# KiCad board EC_Rev2.kicad_pcb (continued)
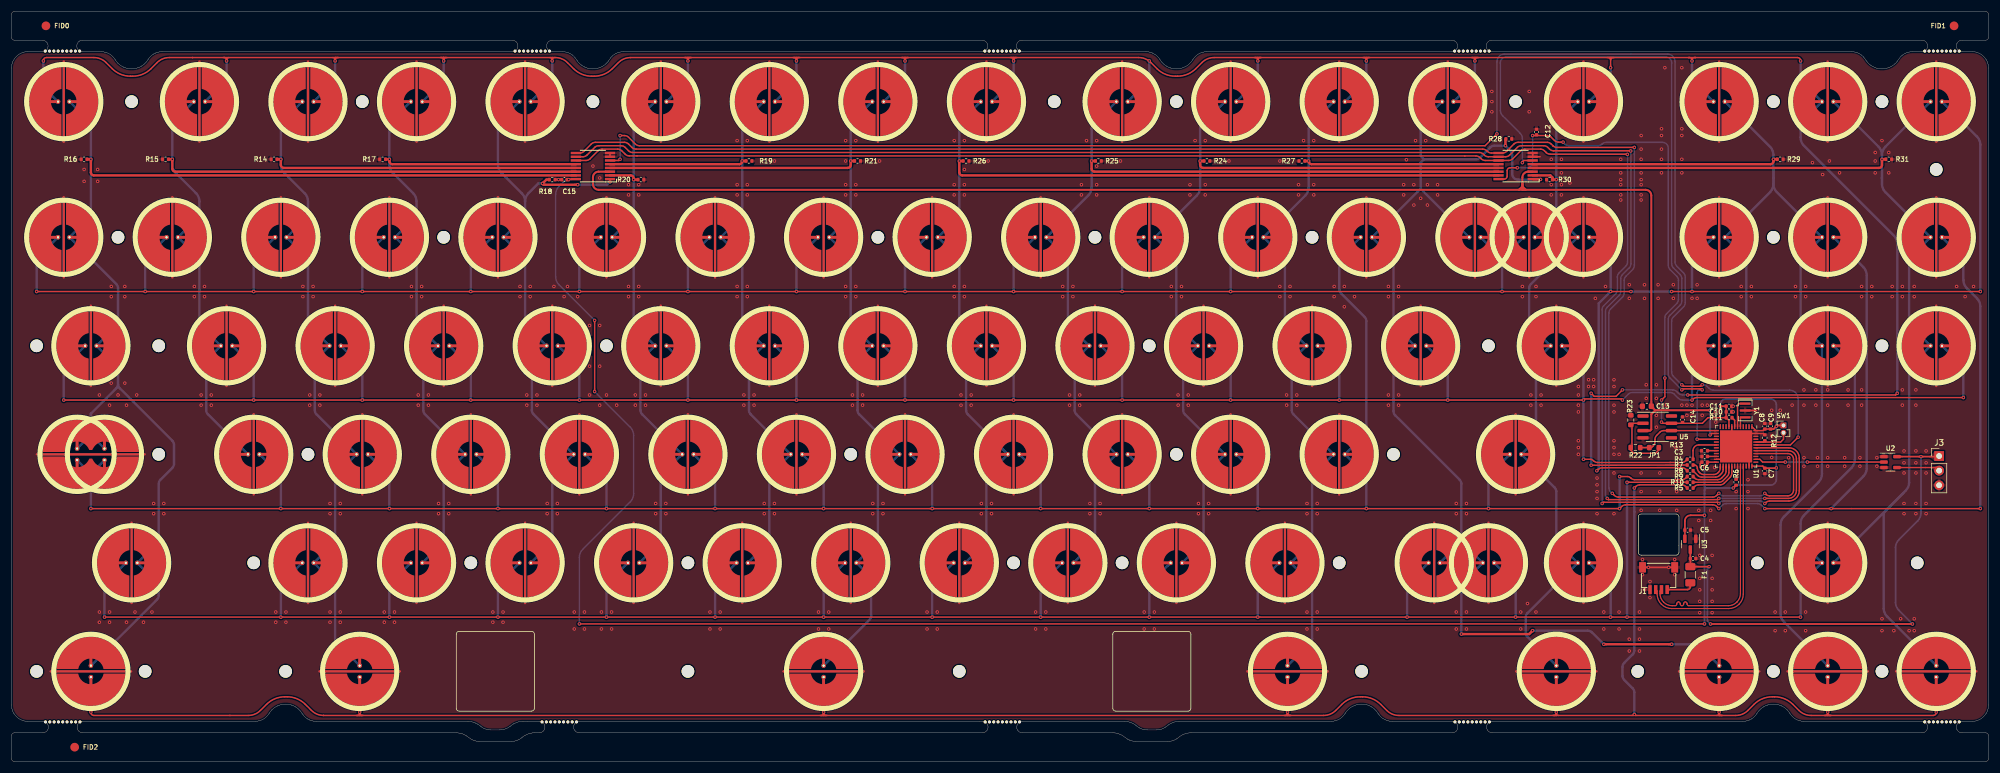
[diagram p0: board, top side]
## Nets (continued)
ROW2: R4.2 SW_EC35.2 SW_EC36.2 SW_EC37.2 SW_EC38.2 SW_EC39.2 SW_EC40.2 SW_EC41.2 SW_EC42.2 SW_EC43.2 SW_EC44.2 SW_EC45.2 SW_EC46.2 SW_EC47.2 SW_EC48.2 SW_EC49.2 SW_EC51.2
ROW3: R9.2 SW_EC30.2 SW_EC33.2 SW_EC34.2 SW_EC52.2 SW_EC53.2 SW_EC54.2 SW_EC55.2 SW_EC56.2 SW_EC57.2 SW_EC58.2 SW_EC59.2 SW_EC60.2 SW_EC61.2 SW_EC62.2 SW_EC63.2 SW_EC64.2
ROW4: R10.1 SW_EC50.2 SW_EC65.2 SW_EC66.2 SW_EC67.2 SW_EC68.2 SW_EC69.2 SW_EC70.2 SW_EC71.2 SW_EC72.2 SW_EC73.2 SW_EC74.2 SW_EC75.2 SW_EC76.2 SW_EC77.2 SW_EC88.2 SW_EC89.2
ROW5: R5.2 SW_EC78.2 SW_EC79.2 SW_EC80.2 SW_EC81.2 SW_EC82.2 SW_EC83.2 SW_EC84.2 SW_EC85.2
XTAL0: U1.5 Y1.3
XTAL1: U1.6 Y1.1
Net-(JP1-B): JP1.2 R22.2 R23.1 U5.2
Net-(U1-PA8): R5.1 U1.29
Net-(U1-PA10): R6.1 U1.31
Net-(U1-PB0): R4.1 U1.18
Net-(U1-PB12): R7.2 U1.25
Net-(U1-PB13): R8.2 U1.26
Net-(U1-PB14): R9.1 U1.27
Net-(U1-PB15): R10.2 U1.28
Net-(U1-VCAP1): C3.1 U1.22

Pads without a net: U1 2 3 4 10 11 12 15 17 19 21 30 34 37 39 45 46; U5 1 5 8

## Via types
v1: diameter 0.6, hole 0.3, Top to Bottom, 724 vias

## Routing (per net, layer and track width the routed paths; a pad name or vN(x,y) marks a point on that pad's centre or on a via; arc(x,y) is an arc through that point)
+5V: length 91.3
  Top w0.3: 335.62,53.1 v1(332.47,53.1) U2.5 ; 292.31,37.21 F1.1 v1(295.58,33.93) ; v1(330.99,23.95) v1(295.83,23.95)
  Bottom w0.3: v1(330.99,23.95) 328.62,26.32 arc(328.19,26.97) 328.04,27.73 328.04,37.23 arc(328.19,37.99) 328.62,38.64 331.88,41.9 arc(332.32,42.55) 332.47,43.31 v1(332.47,53.1) ; v1(295.58,33.93) 295.28,33.64 295.28,24.5 v1(295.83,23.95)
GND: length 20.2
  Top w0.25: U6.8 U6.7 266.17,105.33 ; C15.1 v1(95.25,101.34) R18.2 ; U1.8 299.53,55.63 ; C6.2 294.03,51.84 294.03,51.21 ; 302.53,57.13 U1.47 305.04,57.13 R12.2 ; 302.53,52.63 U1.35 ; U4.8 U4.7 ; U1.23 298.03,52.63
  Top w0.3: Y1.2 303.78,61.13 ; J1.4 v1(288.56,33.82) v1(285.01,33.82) J1.4
  vias: v1(12.64,103.11) v1(12.64,101.05) v1(15.01,103.11) v1(15.01,101.05) v1(15.3,63.84) v1(15.3,26.04) v1(15.3,24.26) v1(17.07,62.06) v1(17.07,26.04) v1(17.07,24.26) v1(17.37,82.74) v1(17.37,80.96) v1(17.37,65.9) v1(18.55,63.84) v1(19.73,82.74) v1(19.73,80.96) v1(19.73,65.9) v1(20.03,62.06) v1(20.03,24.26) v1(21.5,26.04) v1(21.8,63.84) v1(22.98,24.26) v1(24.46,26.04) v1(24.75,44.94) v1(24.75,43.16) v1(26.52,44.94) v1(26.52,43.16) v1(31.84,82.74) v1(31.84,80.96) v1(33.02,63.84) v1(33.02,62.06) v1(33.61,82.74) v1(33.61,80.96) v1(34.79,63.84) v1(34.79,62.06) v1(46.01,26.04) v1(46.01,24.26) v1(47.79,26.04) v1(47.79,24.26) v1(50.74,82.74) v1(50.74,80.96) v1(51.92,63.84) v1(51.92,62.06) v1(52.51,82.74) v1(52.51,80.96) v1(53.69,63.84) v1(53.69,62.06) v1(55.46,44.94) v1(55.46,43.16) v1(55.46,26.04) v1(55.46,24.26) v1(57.24,44.94) v1(57.24,43.16) v1(57.24,26.04) v1(57.24,24.26) v1(64.91,26.04) v1(64.91,24.26) v1(66.69,26.04) v1(66.69,24.26) v1(69.64,82.74) v1(69.64,80.96) v1(70.82,63.84) v1(70.82,62.06) v1(71.41,82.74) v1(71.41,80.96) v1(72.59,63.84) v1(72.59,62.06) v1(74.36,44.94) v1(74.36,43.16) v1(76.14,44.94) v1(76.14,43.16) v1(83.81,26.04) v1(83.81,24.26) v1(85.59,26.04) v1(85.59,24.26) v1(88.54,82.74) v1(88.54,80.96) v1(89.72,63.84) v1(89.72,62.06) v1(90.31,82.74) v1(90.31,80.96) v1(91.49,63.84) v1(91.49,62.06) v1(93.26,44.94) v1(93.26,43.16) v1(94.45,82.74) v1(95.04,44.94) v1(95.04,43.16) v1(96.22,80.96) v1(96.81,82.74) v1(97.99,26.04) v1(97.99,23.08) v1(98.58,80.96) v1(99.76,26.04) v1(99.76,23.08) v1(100.65,75.94) v1(100.65,68.86) v1(100.65,63.84) v1(101.24,103.7) v1(102.42,101.64) v1(102.42,75.94) v1(102.42,68.86) v1(102.42,62.06) v1(102.71,26.04) v1(102.71,23.08) v1(103.6,63.84) v1(104.49,26.04) v1(104.49,23.08) v1(105.37,62.06) v1(107.44,100.45) v1(107.44,98.68) v1(107.44,82.74) v1(107.44,80.96) v1(108.62,63.84) v1(108.62,62.06) v1(109.21,100.45) v1(109.21,98.68) v1(109.21,82.74) v1(109.21,80.96) v1(110.39,63.84) v1(110.39,62.06) v1(112.16,44.94) v1(112.16,43.16) v1(113.94,44.94) v1(113.94,43.16) v1(121.61,26.04) v1(121.61,23.08) v1(123.39,26.04) v1(123.39,23.08) v1(126.34,108.13) v1(126.34,100.45) v1(126.34,98.68) v1(126.34,82.74) v1(126.34,80.96) v1(127.52,63.84) v1(127.52,62.06) v1(128.11,108.13) v1(128.11,100.45) v1(128.11,98.68) v1(128.11,82.74) v1(128.11,80.96) v1(129.29,63.84) v1(129.29,62.06) v1(131.06,44.94) v1(131.06,43.16) v1(132.84,104.59) v1(132.84,44.94) v1(132.84,43.16) v1(140.51,26.04) v1(140.51,23.08) v1(142.29,26.04) v1(142.29,23.08) v1(145.24,108.13) v1(145.24,104.59) v1(145.24,100.45) v1(145.24,98.68) v1(145.24,82.74) v1(145.24,80.96) v1(146.42,63.84) v1(146.42,62.06) v1(147.01,108.13) v1(147.01,100.45) v1(147.01,98.68) v1(147.01,82.74) v1(147.01,80.96) v1(148.19,63.84) v1(148.19,62.06) v1(149.96,44.94) v1(149.96,43.16) v1(151.15,104.59) v1(151.74,44.94) v1(151.74,43.16) v1(159.41,26.04) v1(159.41,23.08) v1(161.19,26.04) v1(161.19,23.08) v1(164.14,108.13) v1(164.14,100.45) v1(164.14,98.68) v1(164.14,82.74) v1(164.14,80.96) v1(165.32,63.84) v1(165.32,62.06) v1(165.91,108.13) v1(165.91,103.11) v1(165.91,100.45) v1(165.91,98.68) v1(165.91,82.74) v1(165.91,80.96) v1(167.09,63.84) v1(167.09,62.06) v1(168.86,44.94) v1(168.86,43.16) v1(170.05,104.59) v1(170.64,44.94) v1(170.64,43.16) v1(178.31,26.04) v1(178.31,23.08) v1(180.09,26.04) v1(180.09,23.08) v1(183.04,82.74) v1(183.04,80.96) v1(184.22,63.84) v1(184.22,62.06) v1(184.81,82.74) v1(184.81,80.96) v1(185.99,63.84) v1(185.99,62.06) v1(186.29,100.45) v1(186.29,98.68) v1(187.17,108.13) v1(187.76,44.94) v1(187.76,43.16) v1(188.95,108.13) v1(188.95,103.7) v1(188.95,100.45) v1(188.95,98.68) v1(189.54,44.94) v1(189.54,43.16) v1(193.08,104.59) v1(197.21,26.04) v1(197.21,23.08) v1(198.99,26.04) v1(198.99,23.08) v1(201.94,82.74) v1(201.94,80.96) v1(203.12,63.84) v1(203.12,62.06) v1(203.71,82.74) v1(203.71,80.96) v1(204.89,63.84) v1(204.89,62.06) v1(205.19,100.45) v1(205.19,98.68) v1(206.07,108.13) v1(206.66,44.94) v1(206.66,43.16) v1(207.85,108.13) v1(207.85,100.45) v1(207.85,98.68) v1(208.44,44.94) v1(208.44,43.16) v1(211.98,104.59) v1(220.84,104.59) v1(220.84,82.74) v1(220.84,80.96) v1(222.02,63.84) v1(222.02,62.06) v1(222.61,82.74) v1(222.61,80.96) v1(223.79,63.84) v1(223.79,62.06) v1(224.09,100.45) v1(224.09,98.68) v1(224.97,108.13) v1(225.56,44.94) v1(225.56,43.16) v1(225.56,26.04) v1(225.56,23.08) v1(226.75,108.13) v1(226.75,100.45) v1(226.75,98.68) v1(227.34,44.94) v1(227.34,43.16) v1(227.34,26.04) v1(227.34,23.08) v1(230.29,82.74) v1(230.29,80.96) v1(232.06,82.74) v1(232.06,79.19) v1(233.83,80.96) v1(239.74,82.74) v1(239.74,80.96) v1(239.74,63.84) v1(239.74,62.06) v1(241.51,82.74) v1(241.51,80.96) v1(241.51,63.84) v1(241.51,62.06) v1(242.4,100.45) v1(242.4,98.68) v1(242.87,104.81) v1(244.17,100.45) v1(244.17,96.91) v1(244.46,108.13) v1(245.35,98.09) v1(246.24,108.13) v1(246.53,100.45) v1(246.53,96.91) v1(248.3,100.45) v1(248.3,98.68) v1(251.55,44.94) v1(251.55,43.16) v1(251.55,26.04) v1(251.55,23.08) v1(253.32,44.94) v1(253.32,43.16) v1(253.32,26.04) v1(253.32,23.08) v1(257.75,116.7) v1(257.75,114.92) v1(257.75,113.15) v1(262.77,26.04) v1(262.77,23.08) v1(263.07,82.74) v1(263.07,80.96) v1(263.95,27.51) v1(264.25,116.7) v1(264.25,113.15) v1(264.55,63.84) v1(264.55,62.06) v1(265.43,82.74) v1(265.43,80.96) v1(265.43,26.04) v1(266.32,63.84) v1(266.32,62.06) v1(267.79,110.5) v1(268.09,104.88) v1(268.09,100.45) v1(268.09,98.68) v1(269.86,104.88) v1(269.86,102.52) v1(269.86,100.45) v1(269.86,98.68) v1(271.34,100.75) v1(272.81,65.31) v1(272.81,63.84) v1(272.81,62.06) v1(272.81,60.88) v1(272.81,55.86) v1(272.81,54.68) v1(272.81,53.5) v1(274.59,66.49) v1(274.59,65.31) v1(275.47,66.49) v1(275.47,65.31) v1(275.77,80.67) v1(276.06,49.37) v1(276.06,48.18) v1(276.06,47) v1(276.06,45.82) v1(276.06,43.16) v1(277.24,26.04) v1(277.24,23.08) v1(277.54,82.74) v1(279.02,66.49) v1(279.02,65.31) v1(279.02,62.06) v1(279.02,60.88) v1(279.02,55.86) v1(279.02,54.68) v1(279.02,53.5) v1(279.02,50.25) v1(279.02,43.16) v1(279.9,53.5) v1(279.9,26.04) v1(279.9,23.08) v1(280.2,104.88) v1(280.2,102.52) v1(280.2,101.34) v1(280.2,100.45) v1(280.2,98.68) v1(280.2,97.8) v1(281.67,83.03) v1(281.67,80.67) v1(281.67,21.31) v1(281.67,19.24) v1(283.45,26.04) v1(283.45,23.08) v1(283.45,21.31) v1(283.45,19.24) v1(283.74,109.02) v1(283.74,106.66) v1(283.74,104.88) v1(283.74,102.52) v1(283.74,101.34) v1(283.74,100.45) v1(283.74,98.68) v1(283.74,97.8) v1(283.74,50.25) v1(283.74,47) v1(283.74,43.75) v1(283.98,35.19) v1(283.98,32.53) v1(284.33,83.03) v1(284.33,80.67) v1(284.33,29.95) v1(284.63,65.61) v1(284.63,63.25) v1(285.28,31.35) v1(285.28,28.55) v1(286.4,65.61) v1(286.4,63.25) v1(286.4,60.29) v1(286.4,58.22) v1(286.69,83.03) v1(286.69,80.67) v1(286.99,50.25) v1(286.99,47) v1(286.99,43.75) v1(287.28,110.2) v1(287.28,109.02) v1(287.28,106.66) v1(287.28,104.88) v1(287.28,102.52) v1(287.88,120.83) v1(288.17,62.06) v1(289.35,83.03) v1(289.35,80.67) v1(289.58,35.19) v1(289.58,32.53) v1(289.78,54.68) v1(289.94,50.25) v1(289.94,47) v1(289.94,43.75) v1(290.83,120.83) v1(290.83,110.2) v1(290.83,109.02) v1(290.83,104.88) v1(290.83,102.52) v1(290.83,62.06) v1(291.71,62.06) v1(291.71,60.29) v1(292.6,80.67) v1(292.6,62.06) v1(292.6,60.29) v1(293.49,83.03) v1(293.49,80.67) v1(293.78,43.75) v1(293.78,41.98) v1(293.95,35.9) v1(293.95,31.9) v1(293.95,29.9) v1(293.95,27.9) v1(293.95,25.92) v1(294.37,62.06) v1(294.37,60.29) v1(295.26,62.06) v1(295.85,43.75) v1(295.85,41.98) v1(296.1,35.9) v1(296.1,31.9) v1(296.1,29.9) v1(296.1,27.9) v1(296.1,25.92) v1(296.53,51.21) v1(296.73,60.88) v1(296.73,59.11) v1(299.78,61.88) v1(299.78,60.88) v1(300.28,47) v1(300.28,44.05) v1(301.16,82.74) v1(301.16,80.96) v1(302.35,49.07) v1(302.35,47) v1(302.35,44.05) v1(302.94,82.74) v1(302.94,80.96) v1(306.48,61.18) v1(306.48,56.75) v1(306.48,52.96) v1(307.07,26.04) v1(307.07,22.79) v1(307.96,61.18) v1(308.84,26.04) v1(308.84,22.79) v1(309.43,52.91) v1(309.43,51.43) v1(310.02,62.06) v1(310.61,82.74) v1(310.61,80.96) v1(312.09,64.72) v1(312.09,62.06) v1(312.09,52.91) v1(312.09,51.43) v1(312.39,82.74) v1(312.39,80.96) v1(312.39,26.04) v1(312.39,22.79) v1(313.57,104.29) v1(314.16,64.72) v1(314.16,62.06) v1(314.45,52.91) v1(314.45,51.43) v1(315.34,102.23) v1(316.23,64.72) v1(316.23,62.06) v1(316.23,52.91) v1(316.23,51.43) v1(316.52,104.59) v1(318.29,102.52) v1(319.18,52.91) v1(319.18,51.43) v1(319.77,64.72) v1(319.77,62.06) v1(321.84,52.91) v1(321.84,51.43) v1(322.13,82.74) v1(322.13,80.96) v1(322.13,64.72) v1(322.13,62.06) v1(323.9,82.74) v1(323.9,80.96) v1(324.49,106.07) v1(324.49,104.59) v1(324.49,102.52) v1(324.79,52.91) v1(324.79,51.43) v1(325.68,108.13) v1(325.68,24.85) v1(325.68,22.79) v1(326.86,106.07) v1(326.86,102.52) v1(327.45,82.74) v1(327.45,80.96) v1(327.74,22.79) v1(328.92,24.85) v1(329.22,82.74) v1(329.22,80.96) v1(329.22,64.72) v1(329.22,62.06) v1(329.51,54.09) v1(329.51,52.02) v1(329.51,50.25) v1(329.51,44.94) v1(329.51,43.16) v1(330.4,22.79) v1(331.29,82.74) v1(331.29,80.96) v1(331.29,24.85) v1(331.29,22.79) v1(331.58,64.72) v1(331.58,62.06) v1(331.58,54.09) v1(331.58,52.02) v1(331.58,50.25) v1(331.58,44.94) v1(331.58,43.16) v1(333.35,54.09) v1(333.35,52.02) v1(333.35,50.25) v1(333.35,44.94) v1(333.35,43.16) v1(338.67,82.74) v1(340.15,80.96) v1(341.62,82.74)
VBAT: length 477.3
  Top w0.25: v1(270.16,107.87) 269.36,107.87 arc(268.97,107.95) 268.65,108.16 268.09,108.73 arc(267.76,108.94) 267.38,109.02 v1(264.84,109.02) ; v1(287.28,59.11) 287.49,58.9 U5.7 294.41,58.9 295.39,59.88 R11.1 ; C9.1 C8.1 305.01,57.63 U1.48 U1.1 ; C5.1 U3.2 ; C11.1 C10.1 R11.1 ; R11.1 299.03,59.4 U1.9 ; U1.36 304.92,51.45 C7.1 ; U1.24 C6.1 ; U4.16 96.6,101.43 ; v1(101.53,64.43) v1(101.53,76.83) ; v1(287.28,62.95) 287.88,63.54 v1(287.88,66.79) ; U6.16 259.91,101.43 arc(260.26,101.58) 260.41,101.93 260.41,102.91 arc(260.56,103.26) 260.91,103.41 v1(262.18,103.41) ; v1(98.88,23.97) v1(294.78,23.97)
  Top w0.3: v1(297.53,61.88) C11.1 ; v1(299.78,47.63) 299.79,47.63 R6.2 ; C9.1 306.8,57.9 v1(307.28,58.38) 307.43,58.53 SW1.1 ; C6.1 295.28,51.71 v1(294.78,51.31) ; C5.1 291.36,41.88 arc(291.65,42.59) 292.36,42.88 v1(294.78,42.88) ; C7.1 307.23,51.09 v1(307.28,51.13)
  Bottom w0.25: v1(262.18,103.41) 263.84,103.41 arc(264.55,103.7) 264.84,104.41 v1(264.84,109.02) ; v1(101.53,64.43) 107.74,58.22 arc(108.17,57.57) 108.32,56.81 108.32,46.65 arc(108.17,45.88) 107.74,45.24 99.46,36.96 arc(99.03,36.31) 98.87,35.54 v1(98.87,23.97) ; v1(270.16,107.87) 270.16,107.84 270.45,107.54 arc(270.78,107.32) 271.16,107.25 276.24,107.25 arc(276.62,107.32) 276.95,107.54 276.95,107.54 arc(277.28,107.76) 277.66,107.84 287.47,107.84 arc(288.17,107.54) 288.47,106.84 288.47,86.4 arc(288.54,86.02) 288.76,85.69 289.94,84.51 arc(290.16,84.18) 290.24,83.8 290.24,80.49 arc(290.16,80.11) 289.94,79.78 288.17,78.01 arc(287.95,77.68) 287.88,77.3 v1(287.88,66.79) ; v1(101.53,76.83) 95.33,83.04 arc(94.89,83.69) 94.74,84.45 94.74,98.74 arc(94.89,99.51) 95.33,100.15 96.51,101.34 v1(97.03,101.34) ; v1(287.28,59.11) v1(287.28,62.95)
  Bottom w0.3: 294.78,46.63 294.78,47.18 arc(294.91,47.5) 295.23,47.63 ; 294.78,46.63 v1(294.78,42.88) v1(294.78,23.97) ; 294.78,46.63 294.78,49.13 ; v1(297.53,61.88) 297.53,62.13 arc(297.82,62.84) 298.53,63.13 306.28,63.13 arc(306.99,62.84) 307.28,62.13 v1(307.28,58.38) v1(307.28,51.13) 307.28,49.13 arc(306.99,48.43) 306.28,48.13 300.28,48.13 v1(299.78,47.63) 295.23,47.63 ; 294.78,49.13 v1(294.78,51.31) ; 294.78,49.13 294.78,48.08 arc(294.91,47.77) 295.23,47.63
VBUS: length 5
  Top w0.3: F1.2 292.31,30.45 arc(292.16,30.09) 291.81,29.95 J1.1
ADC: length 15.1
  Top w0.25: R22.1 285.55,54.67 285.85,54.98 arc(286.07,55.3) 286.15,55.68 286.15,56.08 arc(286.22,56.47) 286.44,56.79 286.99,57.34 arc(287.32,57.56) 287.7,57.63 U1.13
AMUX_SEL_0: length 298.2
  Top w0.25: v1(281.34,105.74) 281.31,105.77 267.91,105.77 arc(267.53,105.85) 267.21,106.06 266.91,106.36 arc(266.58,106.58) 266.2,106.66 263.48,106.66 arc(263.1,106.58) 262.78,106.36 261.38,104.97 arc(261.06,104.75) 260.67,104.68 U6.11 256.6,104.68 arc(256.22,104.75) 255.9,104.97 255.68,105.18 arc(255.36,105.4) 254.98,105.47 253.03,105.47 107.56,105.47 arc(107.18,105.55) 106.85,105.77 106.26,106.36 arc(105.93,106.58) 105.55,106.66 102.83,106.66 arc(102.45,106.58) 102.13,106.36 100.73,104.97 arc(100.41,104.75) 100.02,104.68 U4.11 ; v1(276.95,44.94) 277.17,45.16 297.06,45.16 v1(297.28,44.94) ; U1.42 309.48,54.63 arc(310.75,54.11) 311.28,52.83 311.28,47.17 arc(310.75,45.9) 309.48,45.37 306.13,45.37 arc(305.75,45.3) 305.42,45.08 v1(305.28,44.94)
  Bottom w0.25: v1(276.95,44.94) 276.95,78.69 arc(277.02,79.07) 277.24,79.39 279.31,81.47 arc(279.53,81.79) 279.61,82.17 279.61,84.39 arc(279.68,84.77) 279.9,85.1 281.09,86.28 arc(281.3,86.61) 281.38,86.99 281.38,105.7 v1(281.34,105.74) ; v1(305.28,44.94) 305.14,45.08 arc(304.81,45.3) 304.43,45.37 298.13,45.37 arc(297.75,45.3) 297.42,45.08 v1(297.28,44.94)
AMUX_SEL_1: length 295.6
  Top w0.25: U4.10 99.49,105.33 arc(99.88,105.4) 100.2,105.62 101.54,106.95 arc(101.86,107.17) 102.24,107.25 106.14,107.25 arc(106.52,107.17) 106.85,106.95 107.44,106.36 arc(107.77,106.14) 108.15,106.07 255.57,106.07 arc(255.95,105.99) 256.27,105.77 256.43,105.62 arc(256.75,105.4) 257.13,105.33 U6.10 260.14,105.33 arc(260.53,105.4) 260.85,105.62 262.19,106.95 arc(262.51,107.17) 262.89,107.25 266.79,107.25 arc(267.17,107.17) 267.5,106.95 267.8,106.65 arc(268.12,106.44) 268.5,106.36 281.9,106.36 v1(281.93,106.33) ; v1(297.28,45.82) 297.06,45.61 278.05,45.61 v1(277.83,45.82) ; v1(305.28,45.82) 309.38,45.82 arc(310.37,46.23) 310.78,47.22 310.78,52.73 arc(310.37,53.72) 309.38,54.13 U1.41
  Bottom w0.25: v1(297.28,45.82) v1(305.28,45.82) ; v1(281.93,106.33) 281.97,106.29 281.97,86.69 arc(281.89,86.31) 281.68,85.99 280.49,84.8 arc(280.27,84.48) 280.2,84.09 280.2,81.88 arc(280.12,81.49) 279.9,81.17 277.83,79.1 arc(277.62,78.77) 277.54,78.39 277.54,46.53 arc(277.62,46.15) 277.83,45.82 v1(277.83,45.82)
AMUX_SEL_2: length 292.8
  Top w0.25: v1(282.56,106.95) 269.09,106.95 arc(268.71,107.03) 268.39,107.24 268.09,107.54 arc(267.76,107.76) 267.38,107.84 262.3,107.84 arc(261.92,107.76) 261.59,107.54 260.32,106.27 arc(259.99,106.05) 259.61,105.98 ; U6.9 257.67,105.98 arc(257.28,106.05) 256.96,106.27 256.86,106.36 arc(256.54,106.58) 256.16,106.66 108.74,106.66 arc(108.36,106.73) 108.03,106.95 107.44,107.54 arc(107.11,107.76) 106.73,107.84 101.65,107.84 arc(101.27,107.76) 100.94,107.54 99.67,106.27 arc(99.34,106.05) 98.96,105.98 ; U1.40 309.28,53.63 arc(309.99,53.34) 310.28,52.63 310.28,47.27 arc(309.99,46.56) 309.28,46.27 306.13,46.27 arc(305.75,46.35) 305.42,46.56 v1(305.28,46.71) ; v1(278.72,46.71) 279.08,46.35 arc(279.4,46.13) 279.78,46.06 296.21,46.06 arc(296.6,46.13) 296.92,46.35 v1(297.28,46.71)
  Bottom w0.25: v1(297.28,46.71) 297.42,46.56 arc(297.75,46.35) 298.13,46.27 304.43,46.27 arc(304.81,46.35) 305.14,46.56 v1(305.28,46.71) ; v1(282.56,106.95) 282.56,105.77 282.56,86.4 arc(282.48,86.02) 282.27,85.69 281.08,84.51 arc(280.86,84.18) 280.79,83.8 280.79,81.58 arc(280.71,81.2) 280.5,80.87 278.42,78.8 arc(278.21,78.48) 278.13,78.1 278.13,47.62 arc(278.21,47.24) 278.42,46.91 278.63,46.71 v1(278.72,46.71)
APLEX_EN_PIN_0: length 300
  Top w0.25: v1(105.96,109.02) 106.73,109.02 arc(107.11,108.94) 107.44,108.73 108.62,107.54 arc(108.95,107.32) 109.33,107.25 256.57,107.25 v1(258.64,109.31) ; v1(290.83,65.61) 290.83,65.61 291.08,65.35 294.11,65.35 v1(294.37,65.61) ; U4.6 105.75,104.68 v1(105.96,104.88) ; U1.43 309.73,55.13 v1(311.08,56.48)
  Bottom w0.25: v1(258.64,109.31) 258.64,121.89 arc(259.02,122.81) 259.94,123.19 281.97,123.19 288.35,123.19 arc(289.27,122.81) 289.65,121.89 289.65,86.99 arc(289.72,86.61) 289.94,86.28 291.13,85.1 arc(291.34,84.77) 291.42,84.39 291.42,79.9 arc(291.34,79.52) 291.13,79.19 289.35,77.42 arc(289.13,77.09) 289.06,76.71 289.06,67.79 arc(289.13,67.41) 289.35,67.09 v1(290.83,65.61) ; v1(311.08,56.48) 311.08,63.18 arc(310.64,64.25) 309.58,64.68 296.3,64.68 arc(295.92,64.76) 295.59,64.98 295.26,65.31 arc(294.93,65.53) 294.55,65.61 v1(294.37,65.61) ; v1(105.96,104.88) v1(105.96,109.02)
APLEX_EN_PIN_1: length 127.6
  Top w0.25: U1.16 v1(293.49,56.13) ; v1(294.37,64.72) 294.19,64.9 291.01,64.9 v1(290.83,64.72) ; v1(263.07,104.29) 263.28,104.68 U6.6
  Bottom w0.25: v1(290.83,64.72) 290.83,64.72 288.76,66.79 arc(288.54,67.12) 288.47,67.5 288.47,77.01 arc(288.54,77.39) 288.76,77.71 290.54,79.49 arc(290.75,79.81) 290.83,80.2 290.83,84.09 arc(290.75,84.48) 290.54,84.8 289.35,85.99 arc(289.13,86.31) 289.06,86.69 289.06,121.7 arc(288.76,122.41) 288.06,122.7 260.23,122.7 arc(259.52,122.41) 259.23,121.7 259.23,113.4 arc(259.33,112.9) 259.61,112.48 262.69,109.4 arc(262.97,108.98) 263.07,108.48 v1(263.07,104.29) ; v1(294.37,64.72) 293.99,64.72 arc(293.63,64.58) 293.49,64.22 v1(293.49,56.13)
APLEX_OUT_PIN_0: length 256.1
  Top w0.25: U1.14 296.01,57.13 v1(295.75,56.87)
  Top w0.35: 286.2,61.18 C13.1 285.51,98.57 arc(285.22,99.28) 284.51,99.57 263.66,99.57 ; 286.2,61.18 285.51,60.49 285.51,57.83 285.31,57.63 U5.3 ; 286.2,61.18 v1(295.75,61.18) ; 263.66,99.57 263.07,100.16 ; 263.66,99.57 263.36,99.57 ; 263.07,99.57 262.48,99.57 ; 263.07,99.57 263.07,100.45 ; 263.07,99.57 263.36,99.57 ; 262.48,99.57 102.24,99.57 arc(101.53,99.86) 101.24,100.57 101.24,101.73 arc(101.53,102.44) 102.24,102.73 U4.3 ; 262.48,99.57 263.07,100.16 ; 263.07,100.75 263.07,101.73 arc(263.36,102.44) 264.07,102.73 U6.3 ; 263.07,100.75 263.07,100.45 ; 263.07,100.75 263.07,100.16 ; 263.07,100.45 263.07,99.86 263.36,99.57 ; 263.07,100.45 263.07,100.16
  Bottom w0.35: v1(295.75,56.87) v1(295.75,61.18)
BOOT0: length 7.2
  Top w0.25: 304.28,55.63 308.03,55.63 308.53,56.13 SW1.2 ; 304.28,55.63 U1.44 ; 304.28,55.63 305.04,55.63 R12.1
BOOT1: length 1.6
  Top w0.25: U1.20 R13.2
COL0: length 229.3
  Top w0.419: R16.1 v1(13.82,104.88) 13.82,102.58 arc(13.97,102.23) 14.32,102.08 U4.15
  Bottom w0.419: SW_EC52.1 13.53,56.61 arc(13.75,56.93) 13.83,57.32 13.83,60.59 ; SW_EC52.1 14.12,56.57 arc(13.9,56.9) 13.83,57.28 13.83,60.59 ; SW_EC78.1 25.34,28.22 arc(25.56,28.54) 25.64,28.93 25.64,30.46 arc(25.56,30.84) 25.34,31.17 SW_EC65.1 25.34,38.03 arc(25.56,38.36) 25.64,38.74 25.64,48.36 arc(25.71,48.74) 25.93,49.07 28,51.14 arc(28.22,51.46) 28.3,51.85 28.3,55.15 arc(28.22,55.54) 28,55.86 18.84,65.02 arc(18.63,65.34) 18.55,65.73 ; SW_EC1.1 13.53,111.49 arc(13.75,111.17) 13.83,110.79 v1(13.83,104.88) 13.83,95.85 arc(13.67,95.09) 13.24,94.44 SW_EC18.1 18.26,83.14 arc(18.47,82.82) 18.55,82.44 18.55,76.54 arc(18.47,76.16) 18.26,75.83 SW_EC35.1 18.26,68.97 arc(18.47,68.64) 18.55,68.26 18.55,65.73 ; 13.83,60.59 18.26,65.02 arc(18.47,65.34) 18.55,65.73
COL1: length 146
  Top w0.419: U4.14 28.5,102.73 arc(28.15,102.88) 28,103.23 v1(28,104.88) R15.1
  Bottom w0.419: SW_EC53.1 34.2,60.48 arc(33.98,60.8) 33.91,61.18 33.91,69.44 arc(33.98,69.82) 34.2,70.15 SW_EC36.1 33.02,75.83 arc(32.8,76.16) 32.73,76.54 32.73,87.16 arc(32.65,87.54) 32.43,87.87 SW_EC19.1 32.14,94.44 arc(32.57,95.09) 32.73,95.85 32.73,97.56 arc(32.57,98.32) 32.14,98.97 28.59,102.53 arc(28.15,103.18) 28,103.94 v1(28,104.88) 28,110.79 arc(28.08,111.17) 28.29,111.49 SW_EC2.1
COL2: length 169.5
  Top w0.419: U4.13 47.4,103.38 arc(47.05,103.53) 46.9,103.88 46.9,104.88 v1(46.9,104.88) R14.1
  Bottom w0.419: SW_EC3.1 47.19,111.49 arc(46.98,111.17) 46.9,110.79 v1(46.9,104.88) 46.9,103.94 arc(47.05,103.18) 47.49,102.53 51.04,98.97 arc(51.47,98.32) 51.62,97.56 51.62,95.85 arc(51.47,95.09) 51.04,94.44 SW_EC20.1 51.33,87.87 arc(51.55,87.54) 51.62,87.16 51.62,76.54 arc(51.7,76.16) 51.92,75.83 SW_EC37.1 53.1,70.15 arc(52.88,69.82) 52.81,69.44 52.81,61.18 arc(52.88,60.8) 53.1,60.48 SW_EC54.1 56.64,50.07 arc(56.43,49.74) 56.35,49.36 56.35,38.74 arc(56.27,38.36) 56.06,38.03 SW_EC66.1 56.06,31.17 arc(56.27,30.84) 56.35,30.46 56.35,21.39 arc(56.43,21.01) 56.64,20.68 SW_EC79.1
COL3: length 128.8
  Top w0.419: U4.12 66.3,104.03 arc(65.95,104.17) 65.8,104.53 65.8,104.88 v1(65.8,104.88) R17.1
  Bottom w0.419: SW_EC67.1 74.96,38.03 arc(75.17,38.36) 75.25,38.74 75.25,49.36 arc(75.33,49.74) 75.54,50.07 SW_EC55.1 72,60.48 arc(71.78,60.8) 71.71,61.18 71.71,69.44 arc(71.78,69.82) 72,70.15 SW_EC38.1 70.82,75.83 arc(70.6,76.16) 70.53,76.54 70.53,87.16 arc(70.45,87.54) 70.23,87.87 SW_EC21.1 69.94,94.44 arc(70.37,95.09) 70.53,95.85 70.53,97.56 arc(70.37,98.32) 69.94,98.97 66.39,102.53 arc(65.95,103.18) 65.8,103.94 v1(65.8,104.88) 65.8,110.79 arc(65.88,111.17) 66.09,111.49 SW_EC4.1
COL4: length 113.3
  Top w0.419: v1(98.58,100.45) 92.67,100.45 v1(92.46,100.67) 93.13,101.34 R18.1
  Bottom w0.419: v1(92.46,100.67) 91.71,100.67 90.01,98.97 arc(89.58,98.32) 89.42,97.56 ; v1(98.58,100.45) 103.69,100.45 v1(104.19,100.95) ; 89.42,97.56 89.42,95.85 arc(89.27,95.09) 88.84,94.44 SW_EC22.1 89.13,87.87 arc(89.35,87.54) 89.42,87.16 89.42,76.54 arc(89.5,76.16) 89.72,75.83 SW_EC39.1 90.9,70.15 arc(90.68,69.82) 90.61,69.44 90.61,61.18 arc(90.68,60.8) 90.9,60.48 SW_EC56.1 94.44,50.07 arc(94.23,49.74) 94.15,49.36 94.15,38.74 arc(94.07,38.36) 93.86,38.03 SW_EC68.1 ; 89.42,97.56 arc(89.27,98.32) 88.84,98.97 85.29,102.53 arc(84.85,103.18) 84.7,103.94 84.7,110.79 arc(84.78,111.17) 84.99,111.49 SW_EC5.1
COL5: length 98.6
  Top w0.419: R20.1 v1(108.33,101.34) 108.32,101.58 arc(108.18,101.93) 107.82,102.08 U4.2
  Bottom w0.419: SW_EC69.1 112.76,38.03 arc(112.97,38.36) 113.05,38.74 113.05,49.36 arc(113.13,49.74) 113.34,50.07 SW_EC57.1 109.8,60.48 arc(109.58,60.8) 109.51,61.18 109.51,69.44 arc(109.58,69.82) 109.8,70.15 SW_EC40.1 108.62,75.83 arc(108.4,76.16) 108.33,76.54 108.33,87.16 arc(108.25,87.54) 108.03,87.87 SW_EC23.1 107.74,94.44 arc(108.17,95.09) 108.33,95.85 v1(108.33,101.34) 108.33,110.79 arc(108.4,111.17) 108.62,111.49 SW_EC6.1
COL6: length 117.3
  Top w0.419: R19.1 v1(127.23,104.59) 127.22,104.53 arc(127.08,104.17) 126.73,104.03 U4.5
  Bottom w0.419: SW_EC7.1 127.52,111.49 arc(127.3,111.17) 127.22,110.79 127.22,95.85 arc(127.07,95.09) 126.64,94.44 SW_EC24.1 126.93,87.87 arc(127.15,87.54) 127.22,87.16 127.22,76.54 arc(127.3,76.16) 127.52,75.83 SW_EC41.1 128.7,70.15 arc(128.48,69.82) 128.41,69.44 128.41,61.18 arc(128.48,60.8) 128.7,60.48 SW_EC58.1 132.24,50.07 arc(132.03,49.74) 131.95,49.36 131.95,38.74 arc(131.87,38.36) 131.66,38.03 SW_EC70.1
COL7: length 159.1
  Top w0.419: U4.4 145.62,103.38 arc(145.98,103.53) 146.12,103.88 v1(146.12,104.59) R21.1
  Bottom w0.419: SW_EC80.1 149.38,24.68 arc(149.59,25) 149.67,25.38 149.67,31.64 arc(149.59,32.02) 149.38,32.35 SW_EC71.1 150.56,38.03 arc(150.77,38.36) 150.85,38.74 150.85,49.36 arc(150.93,49.74) 151.14,50.07 SW_EC59.1 147.6,60.48 arc(147.38,60.8) 147.31,61.18 147.31,69.44 arc(147.38,69.82) 147.6,70.15 SW_EC42.1 146.42,75.83 arc(146.2,76.16) 146.12,76.54 146.12,87.16 arc(146.05,87.54) 145.83,87.87 SW_EC25.1 145.54,94.44 arc(145.97,95.09) 146.12,95.85 146.12,110.79 arc(146.2,111.17) 146.42,111.49 SW_EC8.1
COL8: length 190.1
  Top w0.419: U6.15 165.52,102.08 arc(165.17,102.23) 165.02,102.58 v1(165.02,104.59) R26.1
  Bottom w0.419: SW_EC9.1 165.32,111.49 arc(165.1,111.17) 165.03,110.79 v1(165.03,104.59) 165.03,95.85 arc(164.87,95.09) 164.44,94.44 SW_EC26.1 164.73,87.87 arc(164.95,87.54) 165.03,87.16 165.03,76.54 arc(165.1,76.16) 165.32,75.83 SW_EC43.1 166.5,70.15 arc(166.28,69.82) 166.21,69.44 166.21,61.18 arc(166.28,60.8) 166.5,60.48 SW_EC60.1 170.04,50.07 arc(169.83,49.74) 169.75,49.36 169.75,38.74 arc(169.67,38.36) 169.46,38.03 SW_EC72.1
COL9: length 168.4
  Top w0.419: R25.1 v1(188.06,104.59) 188.06,103.23 arc(188.21,102.88) 188.56,102.73 U6.14
  Bottom w0.419: SW_EC73.1 188.36,38.03 arc(188.57,38.36) 188.65,38.74 188.65,49.36 arc(188.73,49.74) 188.94,50.07 SW_EC61.1 185.4,60.48 arc(185.18,60.8) 185.11,61.18 185.11,69.44 arc(185.18,69.82) 185.4,70.15 SW_EC44.1 184.22,75.83 arc(184,76.16) 183.93,76.54 183.93,87.16 arc(183.85,87.54) 183.63,87.87 SW_EC27.1 187.47,98.57 arc(187.91,99.22) 188.06,99.99 v1(188.06,104.59) 188.06,110.2 arc(188.14,110.58) 188.35,110.9 SW_EC10.1
COL10: length 148.8
  Top w0.419: U6.13 207.46,103.38 arc(207.11,103.53) 206.96,103.88 v1(206.96,104.59) R24.1
  Bottom w0.419: SW_EC74.1 207.26,38.03 arc(207.47,38.36) 207.55,38.74 207.55,49.36 arc(207.63,49.74) 207.84,50.07 SW_EC62.1 204.3,60.48 arc(204.08,60.8) 204.01,61.18 204.01,69.44 arc(204.08,69.82) 204.3,70.15 SW_EC45.1 203.12,75.83 arc(202.9,76.16) 202.82,76.54 202.82,87.16 arc(202.75,87.54) 202.53,87.87 SW_EC28.1 206.37,98.57 arc(206.81,99.22) 206.96,99.99 v1(206.96,104.59) 206.96,110.2 arc(207.04,110.58) 207.25,110.9 SW_EC11.1
COL11: length 150.4
  Top w0.419: U6.12 226.36,104.03 arc(226.01,104.17) 225.86,104.53 v1(225.86,104.59) R27.1
  Bottom w0.419: SW_EC81.1 226.16,20.68 arc(226.37,21.01) 226.45,21.39 226.45,30.46 arc(226.37,30.84) 226.16,31.17 SW_EC75.1 226.16,38.03 arc(226.37,38.36) 226.45,38.74 226.45,49.36 arc(226.53,49.74) 226.74,50.07 SW_EC63.1 223.2,60.48 arc(222.98,60.8) 222.91,61.18 222.91,69.44 arc(222.98,69.82) 223.2,70.15 SW_EC46.1 222.02,75.83 arc(221.8,76.16) 221.72,76.54 221.72,87.16 arc(221.65,87.54) 221.43,87.87 SW_EC29.1 225.27,98.57 arc(225.71,99.22) 225.86,99.99 v1(225.86,104.59) 225.86,110.2 arc(225.94,110.58) 226.15,110.9 SW_EC12.1
COL12: length 204.2
  Top w0.419: R28.1 260.12,108.35 v1(260.12,107.25) ; v1(266.23,101.37) 266.17,101.43 U6.1 ; v1(289.06,20.42) v1(277.24,20.42) ; v1(252.44,22.2) 264.25,22.2 v1(264.84,22.79)
  Bottom w0.419: v1(252.44,22.2) 252.44,30.46 arc(252.51,30.84) 252.73,31.17 SW_EC76.1 252.73,38.03 arc(252.51,38.36) 252.44,38.74 ; 245.35,99.75 SW_EC30.1 240.33,87.87 arc(240.55,87.54) 240.62,87.16 240.62,76.54 arc(240.7,76.16) 240.92,75.83 SW_EC47.1 240.92,68.97 arc(240.7,68.64) 240.62,68.26 240.62,61 arc(240.7,60.62) 240.92,60.29 252.14,49.07 arc(252.36,48.74) 252.44,48.36 252.44,38.74 ; 245.35,99.75 SW_EC31.1 ; 245.35,99.75 245.35,104.29 245.94,104.88 ; 245.94,104.88 254.98,104.88 arc(255.36,104.96) 255.68,105.18 257.46,106.95 arc(257.78,107.17) 258.17,107.25 v1(260.12,107.25) 261,106.36 arc(261.22,106.03) 261.3,105.65 261.3,102.34 arc(261.59,101.63) 262.3,101.34 266.2,101.34 v1(266.23,101.37) ; 245.94,104.88 245.35,105.47 245.35,110.79 arc(245.43,111.17) 245.64,111.49 SW_EC13.1 ; v1(264.84,22.79) 274.47,22.79 arc(274.85,22.71) 275.17,22.49 v1(277.24,20.42) ; 252.44,38.74 arc(252.36,38.36) 252.14,38.03 SW_EC88.1 ; v1(289.06,20.42) 292.77,20.42 arc(293.54,20.27) 294.19,19.84 SW_EC83.1
